# KiCad board SparkFun_BMV080_panelized.kicad_pcb (continued)
## Routing (per net, layer and track width the routed paths; a pad name or vN(x,y) marks a point on that pad's centre or on a via; arc(x,y) is an arc through that point) (continued)
GND: length 294
  Top w0.203: 12.53,54.74 U1#30.9 ; 32.13,43.74 32.23,43.64 U1#46.2 34.64,43.64 ; 133.16,96.44 U1#27.2 130.75,96.44 130.65,96.54 ; 61.79,120.74 U1#8.9 ; 59.27,17.24 56.86,17.24 56.76,17.34 ; 106.02,56.94 106.12,56.84 U1#13.2 108.53,56.84 ; 106.02,70.14 106.12,70.04 U1#14.2 108.53,70.04 ; 56.76,70.14 56.86,70.04 59.27,70.04 ; 61.79,28.34 U1#38.9 ; 106.02,30.54 106.12,30.44 U1#2.2 108.53,30.44 ; 81.39,70.14 81.49,70.04 U1#7.2 83.9,70.04 ; 108.53,122.84 U1#19.2 106.12,122.84 106.02,122.94 ; 133.16,43.64 U1#23.2 130.75,43.64 130.65,43.74 ; 83.9,17.24 U1#9.2 81.49,17.24 81.39,17.34 ; 130.65,70.14 130.75,70.04 U1#22.2 133.16,70.04 ; 135.68,15.14 U1#25.9 ; 111.05,94.34 110.25,94.34 ; 86.42,54.74 U1#5.9 ; 34.64,70.04 U1#48.2 32.23,70.04 32.13,70.14 ; 34.64,56.84 U1#44.2 32.23,56.84 32.13,56.94 ; 61.79,54.74 U1#40.9 ; 12.53,120.74 U1#47.9 ; 81.39,109.74 81.49,109.64 U1#10.2 83.9,109.64 ; 56.76,109.74 56.86,109.64 59.27,109.64 ; 108.53,96.44 U1#3.2 106.12,96.44 106.02,96.54 ; 12.53,28.34 U1#34.9 ; 133.16,109.64 U1#21.2 130.75,109.64 130.65,109.74 ; 86.42,41.54 U1#16.9 ; 86.42,67.94 U1#7.9 ; 135.68,81.14 U1#28.9 ; 133.16,122.84 U1#20.2 130.75,122.84 130.65,122.94 ; 108.53,83.24 U1#15.2 106.12,83.24 106.02,83.34 ; 81.39,96.54 81.49,96.44 U1#17.2 83.9,96.44 ; 37.16,28.34 U1#36.9 ; 32.13,83.34 32.23,83.24 U1#49.2 34.64,83.24 ; 32.13,122.94 32.23,122.84 U1#51.2 34.64,122.84 ; 133.16,17.24 U1#25.2 130.75,17.24 130.65,17.34 ; 81.39,56.94 81.49,56.84 U1#5.2 83.9,56.84 ; 135.68,107.54 U1#21.9 ; 7.5,30.54 7.6,30.44 U1#34.2 10.01,30.44 ; 37.16,120.74 U1#51.9 ; 61.79,67.94 U1#43.9 ; 7.5,122.94 7.6,122.84 U1#47.2 10.01,122.84 ; 10.01,83.24 U1#32.2 7.6,83.24 7.5,83.34 ; 7.5,70.14 7.6,70.04 U1#31.2 10.01,70.04 ; 111.05,15.14 110.25,15.14 ; 10.01,109.64 U1#37.2 7.6,109.64 7.5,109.74 ; 12.53,15.14 U1#54.9 ; 7.5,96.54 7.6,96.44 U1#33.2 10.01,96.44 ; 81.39,122.94 81.49,122.84 U1#11.2 83.9,122.84 ; 61.79,41.54 U1#39.9 ; 111.05,54.74 110.25,54.74 ; 86.42,120.74 U1#11.9 ; 111.05,81.14 110.25,81.14 ; 61.79,81.14 U1#41.9 ; 83.9,83.24 U1#6.2 81.49,83.24 81.39,83.34 ; 32.13,30.54 32.23,30.44 U1#36.2 34.64,30.44 ; 135.68,41.54 U1#23.9 ; 37.16,94.34 U1#50.9 ; 59.27,96.44 56.86,96.44 56.76,96.54 ; 56.76,83.34 56.86,83.24 59.27,83.24 ; 108.53,109.64 U1.2 106.12,109.64 106.02,109.74 ; 133.16,30.44 U1#26.2 130.75,30.44 130.65,30.54 ; 56.76,56.94 56.86,56.84 59.27,56.84 ; 56.76,30.54 56.86,30.44 59.27,30.44 ; 135.68,28.34 U1#26.9 ; 7.5,56.94 7.6,56.84 U1#30.2 10.01,56.84 ; 37.16,15.14 U1#35.9 ; 10.01,17.24 U1#54.2 7.6,17.24 7.5,17.34 ; 108.53,43.64 U1#18.2 106.12,43.64 106.02,43.74 ; 56.76,122.94 56.86,122.84 59.27,122.84 ; 106.02,17.34 106.12,17.24 U1#12.2 108.53,17.24 ; 12.53,81.14 U1#32.9 ; 7.5,43.74 7.6,43.64 U1#29.2 10.01,43.64 ; 37.16,54.74 U1#44.9 ; 32.13,109.74 32.23,109.64 U1#53.2 34.64,109.64 ; 130.65,56.94 130.75,56.84 U1#24.2 133.16,56.84 ; 12.53,67.94 U1#31.9 ; 12.53,41.54 U1#29.9 ; 86.42,107.54 U1#10.9 ; 111.05,107.54 110.25,107.54 ; 111.05,120.74 110.25,120.74 ; 37.16,67.94 U1#48.9 ; 59.27,43.64 56.86,43.64 56.76,43.74 ; 81.39,30.54 81.49,30.44 U1#4.2 83.9,30.44 ; 12.53,94.34 U1#33.9 ; 37.16,107.54 U1#53.9 ; 135.68,94.34 U1#27.9 ; 86.42,81.14 U1#6.9 ; 133.16,83.24 U1#28.2 130.75,83.24 130.65,83.34 ; 83.9,43.64 U1#16.2 81.49,43.64 81.39,43.74 ; 34.64,96.44 U1#50.2 32.23,96.44 32.13,96.54 ; 135.68,67.94 U1#22.9 ; 111.05,67.94 110.25,67.94 ; 34.64,17.24 U1#35.2 32.23,17.24 32.13,17.34 ; 135.68,120.74 U1#20.9 ; 111.05,28.34 110.25,28.34 ; 135.68,54.74 U1#24.9 ; 37.16,41.54 U1#46.9 ; 61.79,94.34 U1#45.9 ; 86.42,15.14 U1#9.9 ; 86.42,28.34 U1#4.9 ; 37.16,81.14 U1#49.9 ; 86.42,94.34 U1#17.9 ; 61.79,15.14 U1#52.9 ; 61.79,107.54 U1#42.9 ; 12.53,107.54 U1#37.9 ; 111.05,41.54 110.25,41.54
  Bottom w0.203: 16.31,98.05 16.03,98.33 14.34,98.33 ; 38.97,45.53 40.66,45.53 40.94,45.25 ; 63.6,19.13 65.29,19.13 65.57,18.85 ; 63.6,71.93 65.29,71.93 65.57,71.65 ; 40.94,71.65 40.66,71.93 38.97,71.93 ; 63.6,45.53 65.29,45.53 65.57,45.25 ; 139.46,18.85 139.18,19.13 137.49,19.13 ; 137.49,32.33 139.18,32.33 139.46,32.05 ; 114.83,32.05 114.55,32.33 112.86,32.33 ; 63.6,85.13 65.29,85.13 65.57,84.85 ; 139.46,58.45 139.18,58.73 137.49,58.73 ; 16.31,45.25 16.03,45.53 14.34,45.53 ; 38.97,58.73 40.66,58.73 40.94,58.45 ; 112.86,45.53 114.55,45.53 114.83,45.25 ; 14.34,124.73 16.03,124.73 16.31,124.45 ; 90.2,45.25 89.92,45.53 88.23,45.53 ; 65.57,58.45 65.29,58.73 63.6,58.73 ; 90.2,71.65 89.92,71.93 88.23,71.93 ; 65.57,32.05 65.29,32.33 63.6,32.33 ; 114.83,124.45 114.55,124.73 112.86,124.73 ; 114.83,71.65 114.55,71.93 112.86,71.93 ; 139.46,111.25 139.18,111.53 137.49,111.53 ; 16.31,111.25 16.03,111.53 14.34,111.53 ; 88.23,58.73 89.92,58.73 90.2,58.45 ; 63.6,111.53 65.29,111.53 65.57,111.25 ; 16.31,58.45 16.03,58.73 14.34,58.73 ; 88.23,98.33 89.92,98.33 90.2,98.05 ; 137.49,45.53 139.18,45.53 139.46,45.25 ; 16.31,32.05 16.03,32.33 14.34,32.33 ; 40.94,111.25 40.66,111.53 38.97,111.53 ; 65.57,98.05 65.29,98.33 63.6,98.33 ; 112.86,85.13 114.55,85.13 114.83,84.85 ; 137.49,124.73 139.18,124.73 139.46,124.45 ; 114.83,98.05 114.55,98.33 112.86,98.33 ; 137.49,71.93 139.18,71.93 139.46,71.65 ; 14.34,71.93 16.03,71.93 16.31,71.65 ; 112.86,58.73 114.55,58.73 114.83,58.45 ; 90.2,84.85 89.92,85.13 88.23,85.13 ; 16.31,84.85 16.03,85.13 14.34,85.13 ; 88.23,32.33 89.92,32.33 90.2,32.05 ; 114.83,111.25 114.55,111.53 112.86,111.53 ; 88.23,124.73 89.92,124.73 90.2,124.45 ; 65.57,124.45 65.29,124.73 63.6,124.73 ; 38.97,85.13 40.66,85.13 40.94,84.85 ; 88.23,111.53 89.92,111.53 90.2,111.25 ; 16.31,18.85 16.03,19.13 14.34,19.13 ; 40.94,18.85 40.66,19.13 38.97,19.13 ; 40.94,98.05 40.66,98.33 38.97,98.33 ; 90.2,18.85 89.92,19.13 88.23,19.13 ; 139.46,84.85 139.18,85.13 137.49,85.13 ; 40.94,32.05 40.66,32.33 38.97,32.33 ; 137.49,98.33 139.18,98.33 139.46,98.05 ; 114.83,18.85 114.55,19.13 112.86,19.13 ; 40.94,124.45 40.66,124.73 38.97,124.73
  vias: v1(8.33,124.49) v1(8.33,111.29) v1(8.33,98.09) v1(8.33,84.89) v1(8.33,71.69) v1(8.33,58.49) v1(8.33,45.29) v1(8.33,32.09) v1(8.33,18.89) v1(8.61,113.33) v1(8.61,100.13) v1(8.61,86.93) v1(8.61,73.73) v1(8.61,60.53) v1(8.61,47.33) v1(8.61,34.13) v1(8.61,20.93) v1(8.61,7.73) v1(10.63,117.88) v1(10.63,104.68) v1(10.63,91.48) v1(10.63,78.28) v1(10.63,65.08) v1(10.63,51.88) v1(10.63,38.68) v1(10.63,25.48) v1(10.63,12.28) v1(12.19,124.49) v1(12.19,111.29) v1(12.19,98.09) v1(12.19,84.89) v1(12.19,71.69) v1(12.19,58.49) v1(12.19,45.29) v1(12.19,32.09) v1(12.19,18.89) v1(12.81,121.94) v1(12.81,108.74) v1(12.81,95.54) v1(12.81,82.34) v1(12.81,69.14) v1(12.81,55.94) v1(12.81,42.74) v1(12.81,29.54) v1(12.81,16.34) v1(13.33,117.73) v1(13.33,104.53) v1(13.33,91.33) v1(13.33,78.13) v1(13.33,64.93) v1(13.33,51.73) v1(13.33,38.53) v1(13.33,25.33) v1(13.33,12.13) v1(14.38,121.3) v1(14.38,108.1) v1(14.38,94.9) v1(14.38,81.7) v1(14.38,68.5) v1(14.38,55.3) v1(14.38,42.1) v1(14.38,28.9) v1(14.38,15.7) v1(17.69,121.65) v1(17.68,115.23) v1(17.69,108.45) v1(17.68,102.03) v1(17.69,95.25) v1(17.68,88.83) v1(17.69,82.05) v1(17.68,75.63) v1(17.69,68.85) v1(17.68,62.43) v1(17.69,55.65) v1(17.68,49.23) v1(17.69,42.45) v1(17.68,36.03) v1(17.69,29.25) v1(17.68,22.83) v1(17.69,16.05) v1(17.68,9.63) v1(22.09,124.13) v1(22.09,122.61) v1(22.09,121.34) v1(22.09,120.07) v1(22.09,118.55) v1(22.09,110.93) v1(22.09,109.41) v1(22.09,108.14) v1(22.09,106.87) v1(22.09,105.35) v1(22.09,97.73) v1(22.09,96.21) v1(22.09,94.94) v1(22.09,93.67) v1(22.09,92.15) v1(22.09,84.53) v1(22.09,83.01) v1(22.09,81.74) v1(22.09,80.47) v1(22.09,78.95) v1(22.09,71.33) v1(22.09,69.81) v1(22.09,68.54) v1(22.09,67.27) v1(22.09,65.75) v1(22.09,58.13) v1(22.09,56.61) v1(22.09,55.34) v1(22.09,54.07) v1(22.09,52.55) v1(22.09,44.93) v1(22.09,43.41) v1(22.09,42.14) v1(22.09,40.87) v1(22.09,39.35) v1(22.09,31.73) v1(22.09,30.21) v1(22.09,28.94) v1(22.09,27.67) v1(22.09,26.15) v1(22.09,18.53) v1(22.09,17.01) v1(22.09,15.74) v1(22.09,14.47) v1(22.09,12.95) v1(23.36,124.13) v1(23.36,122.61) v1(23.36,121.34) v1(23.36,120.07) v1(23.36,118.55) v1(23.36,110.93) v1(23.36,109.41) v1(23.36,108.14) v1(23.36,106.87) v1(23.36,105.35) v1(23.36,97.73) v1(23.36,96.21) v1(23.36,94.94) v1(23.36,93.67) v1(23.36,92.15) v1(23.36,84.53) v1(23.36,83.01) v1(23.36,81.74) v1(23.36,80.47) v1(23.36,78.95) v1(23.36,71.33) v1(23.36,69.81) v1(23.36,68.54) v1(23.36,67.27) v1(23.36,65.75) v1(23.36,58.13) v1(23.36,56.61) v1(23.36,55.34) v1(23.36,54.07) v1(23.36,52.55) v1(23.36,44.93) v1(23.36,43.41) v1(23.36,42.14) v1(23.36,40.87) v1(23.36,39.35) v1(23.36,31.73) v1(23.36,30.21) v1(23.36,28.94) v1(23.36,27.67) v1(23.36,26.15) v1(23.36,18.53) v1(23.36,17.01) v1(23.36,15.74) v1(23.36,14.47) v1(23.36,12.95) v1(24.63,124.13) v1(24.63,122.61) v1(24.63,121.34) v1(24.63,120.07) v1(24.63,118.55) v1(24.63,110.93) v1(24.63,109.41) v1(24.63,108.14) v1(24.63,106.87) v1(24.63,105.35) v1(24.63,97.73) v1(24.63,96.21) v1(24.63,94.94) v1(24.63,93.67) v1(24.63,92.15) v1(24.63,84.53) v1(24.63,83.01) v1(24.63,81.74) v1(24.63,80.47) v1(24.63,78.95) v1(24.63,71.33) v1(24.63,69.81) v1(24.63,68.54) v1(24.63,67.27) v1(24.63,65.75) v1(24.63,58.13) v1(24.63,56.61) v1(24.63,55.34) v1(24.63,54.07) v1(24.63,52.55) v1(24.63,44.93) v1(24.63,43.41) v1(24.63,42.14) v1(24.63,40.87) v1(24.63,39.35) v1(24.63,31.73) v1(24.63,30.21) v1(24.63,28.94) v1(24.63,27.67) v1(24.63,26.15) v1(24.63,18.53) v1(24.63,17.01) v1(24.63,15.74) v1(24.63,14.47) v1(24.63,12.95) v1(25.9,124.13) v1(25.9,122.61) v1(25.9,121.34) v1(25.9,120.07) v1(25.9,118.55) v1(25.9,110.93) v1(25.9,109.41) v1(25.9,108.14) v1(25.9,106.87) v1(25.9,105.35) v1(25.9,97.73) v1(25.9,96.21) v1(25.9,94.94) v1(25.9,93.67) v1(25.9,92.15) v1(25.9,84.53) v1(25.9,83.01) v1(25.9,81.74) v1(25.9,80.47) v1(25.9,78.95) v1(25.9,71.33) v1(25.9,69.81) v1(25.9,68.54) v1(25.9,67.27) v1(25.9,65.75) v1(25.9,58.13) v1(25.9,56.61) v1(25.9,55.34) v1(25.9,54.07) v1(25.9,52.55) v1(25.9,44.93) v1(25.9,43.41) v1(25.9,42.14) v1(25.9,40.87) v1(25.9,39.35) v1(25.9,31.73) v1(25.9,30.21) v1(25.9,28.94) v1(25.9,27.67) v1(25.9,26.15) v1(25.9,18.53) v1(25.9,17.01) v1(25.9,15.74) v1(25.9,14.47) v1(25.9,12.95) v1(27.17,124.13) v1(27.17,122.61) v1(27.17,121.34) v1(27.17,120.07) v1(27.17,118.55) v1(27.17,110.93) v1(27.17,109.41) v1(27.17,108.14) v1(27.17,106.87) v1(27.17,105.35) v1(27.17,97.73) v1(27.17,96.21) v1(27.17,94.94) v1(27.17,93.67) v1(27.17,92.15) v1(27.17,84.53) v1(27.17,83.01) v1(27.17,81.74) v1(27.17,80.47) v1(27.17,78.95) v1(27.17,71.33) v1(27.17,69.81) v1(27.17,68.54) v1(27.17,67.27) v1(27.17,65.75) v1(27.17,58.13) v1(27.17,56.61) v1(27.17,55.34) v1(27.17,54.07) v1(27.17,52.55) v1(27.17,44.93) v1(27.17,43.41) v1(27.17,42.14) v1(27.17,40.87) v1(27.17,39.35) v1(27.17,31.73) v1(27.17,30.21) v1(27.17,28.94) v1(27.17,27.67) v1(27.17,26.15) v1(27.17,18.53) v1(27.17,17.01) v1(27.17,15.74) v1(27.17,14.47) v1(27.17,12.95) v1(27.74,116.65) v1(27.74,103.45) v1(27.74,90.25) v1(27.74,77.05) v1(27.74,63.85) v1(27.74,50.65) v1(27.74,37.45) v1(27.74,24.25) v1(27.74,11.05) v1(28.44,124.13) v1(28.44,122.61) v1(28.44,121.34) v1(28.44,120.07) v1(28.44,118.55) v1(28.44,110.93) v1(28.44,109.41) v1(28.44,108.14) v1(28.44,106.87) v1(28.44,105.35) v1(28.44,97.73) v1(28.44,96.21) v1(28.44,94.94) v1(28.44,93.67) v1(28.44,92.15) v1(28.44,84.53) v1(28.44,83.01) v1(28.44,81.74) v1(28.44,80.47) v1(28.44,78.95) v1(28.44,71.33) v1(28.44,69.81) v1(28.44,68.54) v1(28.44,67.27) v1(28.44,65.75) v1(28.44,58.13) v1(28.44,56.61) v1(28.44,55.34) v1(28.44,54.07) v1(28.44,52.55) v1(28.44,44.93) v1(28.44,43.41) v1(28.44,42.14) v1(28.44,40.87) v1(28.44,39.35) v1(28.44,31.73) v1(28.44,30.21) v1(28.44,28.94) v1(28.44,27.67) v1(28.44,26.15) v1(28.44,18.53) v1(28.44,17.01) v1(28.44,15.74) v1(28.44,14.47) v1(28.44,12.95) v1(29.31,113.77) v1(29.31,100.57) v1(29.31,87.37) v1(29.31,74.17) v1(29.31,60.97) v1(29.31,47.77) v1(29.31,34.57) v1(29.31,21.37) v1(29.31,8.17) v1(32.96,124.49) v1(32.96,111.29) v1(32.96,98.09) v1(32.96,84.89) v1(32.96,71.69) v1(32.96,58.49) v1(32.96,45.29) v1(32.96,32.09) v1(32.96,18.89) v1(33.24,113.33) v1(33.24,100.13) v1(33.24,86.93) v1(33.24,73.73) v1(33.24,60.53) v1(33.24,47.33) v1(33.24,34.13) v1(33.24,20.93) v1(33.24,7.73) v1(35.26,117.88) v1(35.26,104.68) v1(35.26,91.48) v1(35.26,78.28) v1(35.26,65.08) v1(35.26,51.88) v1(35.26,38.68) v1(35.26,25.48) v1(35.26,12.28) v1(36.82,124.49) v1(36.82,111.29) v1(36.82,98.09) v1(36.82,84.89) v1(36.82,71.69) v1(36.82,58.49) v1(36.82,45.29) v1(36.82,32.09) v1(36.82,18.89) v1(37.44,121.94) v1(37.44,108.74) v1(37.44,95.54) v1(37.44,82.34) v1(37.44,69.14) v1(37.44,55.94) v1(37.44,42.74) v1(37.44,29.54) v1(37.44,16.34) v1(37.96,117.73) v1(37.96,104.53) v1(37.96,91.33) v1(37.96,78.13) v1(37.96,64.93) v1(37.96,51.73) v1(37.96,38.53) v1(37.96,25.33) v1(37.96,12.13) v1(39.01,121.3) v1(39.01,108.1) v1(39.01,94.9) v1(39.01,81.7) v1(39.01,68.5) v1(39.01,55.3) v1(39.01,42.1) v1(39.01,28.9) v1(39.01,15.7) v1(42.32,121.65) v1(42.31,115.23) v1(42.32,108.45) v1(42.31,102.03) v1(42.32,95.25) v1(42.31,88.83) v1(42.32,82.05) v1(42.31,75.63) v1(42.32,68.85) v1(42.31,62.43) v1(42.32,55.65) v1(42.31,49.23) v1(42.32,42.45) v1(42.31,36.03) v1(42.32,29.25) v1(42.31,22.83) v1(42.32,16.05) v1(42.31,9.63) v1(46.72,124.13) v1(46.72,122.61) v1(46.72,121.34) v1(46.72,120.07) v1(46.72,118.55) v1(46.72,110.93) v1(46.72,109.41) v1(46.72,108.14) v1(46.72,106.87) v1(46.72,105.35) v1(46.72,97.73) v1(46.72,96.21) v1(46.72,94.94) v1(46.72,93.67) v1(46.72,92.15) v1(46.72,84.53) v1(46.72,83.01) v1(46.72,81.74) v1(46.72,80.47) v1(46.72,78.95) v1(46.72,71.33) v1(46.72,69.81) v1(46.72,68.54) v1(46.72,67.27) v1(46.72,65.75) v1(46.72,58.13) v1(46.72,56.61) v1(46.72,55.34) v1(46.72,54.07) v1(46.72,52.55) v1(46.72,44.93) v1(46.72,43.41) v1(46.72,42.14) v1(46.72,40.87) v1(46.72,39.35) v1(46.72,31.73) v1(46.72,30.21) v1(46.72,28.94) v1(46.72,27.67) v1(46.72,26.15) v1(46.72,18.53) v1(46.72,17.01) v1(46.72,15.74) v1(46.72,14.47) v1(46.72,12.95) v1(47.99,124.13) v1(47.99,122.61) v1(47.99,121.34) v1(47.99,120.07) v1(47.99,118.55) v1(47.99,110.93) v1(47.99,109.41) v1(47.99,108.14) v1(47.99,106.87) v1(47.99,105.35) v1(47.99,97.73) v1(47.99,96.21) v1(47.99,94.94) v1(47.99,93.67) v1(47.99,92.15) v1(47.99,84.53) v1(47.99,83.01) v1(47.99,81.74) v1(47.99,80.47) v1(47.99,78.95) v1(47.99,71.33) v1(47.99,69.81) v1(47.99,68.54) v1(47.99,67.27) v1(47.99,65.75) v1(47.99,58.13) v1(47.99,56.61) v1(47.99,55.34) v1(47.99,54.07) v1(47.99,52.55) v1(47.99,44.93) v1(47.99,43.41) v1(47.99,42.14) v1(47.99,40.87) v1(47.99,39.35) v1(47.99,31.73) v1(47.99,30.21) v1(47.99,28.94) v1(47.99,27.67) v1(47.99,26.15) v1(47.99,18.53) v1(47.99,17.01) v1(47.99,15.74) v1(47.99,14.47) v1(47.99,12.95) v1(49.26,124.13) v1(49.26,122.61) v1(49.26,121.34) v1(49.26,120.07) v1(49.26,118.55) v1(49.26,110.93) v1(49.26,109.41) v1(49.26,108.14) v1(49.26,106.87) v1(49.26,105.35) v1(49.26,97.73) v1(49.26,96.21) v1(49.26,94.94) v1(49.26,93.67) v1(49.26,92.15) v1(49.26,84.53) v1(49.26,83.01) v1(49.26,81.74) v1(49.26,80.47) v1(49.26,78.95) v1(49.26,71.33) v1(49.26,69.81) v1(49.26,68.54) v1(49.26,67.27) v1(49.26,65.75) v1(49.26,58.13) v1(49.26,56.61) v1(49.26,55.34) v1(49.26,54.07) v1(49.26,52.55) v1(49.26,44.93) v1(49.26,43.41) v1(49.26,42.14) v1(49.26,40.87) v1(49.26,39.35) v1(49.26,31.73) v1(49.26,30.21) v1(49.26,28.94) v1(49.26,27.67) v1(49.26,26.15) v1(49.26,18.53) v1(49.26,17.01) v1(49.26,15.74) v1(49.26,14.47) v1(49.26,12.95) v1(50.53,124.13) v1(50.53,122.61) v1(50.53,121.34) v1(50.53,120.07) v1(50.53,118.55) v1(50.53,110.93) v1(50.53,109.41) v1(50.53,108.14) v1(50.53,106.87) v1(50.53,105.35) v1(50.53,97.73) v1(50.53,96.21) v1(50.53,94.94) v1(50.53,93.67) v1(50.53,92.15) v1(50.53,84.53) v1(50.53,83.01) v1(50.53,81.74) v1(50.53,80.47) v1(50.53,78.95) v1(50.53,71.33) v1(50.53,69.81) v1(50.53,68.54) v1(50.53,67.27) v1(50.53,65.75) v1(50.53,58.13) v1(50.53,56.61) v1(50.53,55.34) v1(50.53,54.07) v1(50.53,52.55) v1(50.53,44.93) v1(50.53,43.41) v1(50.53,42.14) v1(50.53,40.87) v1(50.53,39.35) v1(50.53,31.73) v1(50.53,30.21) v1(50.53,28.94) v1(50.53,27.67) v1(50.53,26.15) v1(50.53,18.53) v1(50.53,17.01) v1(50.53,15.74) v1(50.53,14.47) v1(50.53,12.95) v1(51.8,124.13) v1(51.8,122.61) v1(51.8,121.34) v1(51.8,120.07) v1(51.8,118.55) v1(51.8,110.93) v1(51.8,109.41) v1(51.8,108.14) v1(51.8,106.87) v1(51.8,105.35) v1(51.8,97.73) v1(51.8,96.21) v1(51.8,94.94) v1(51.8,93.67) v1(51.8,92.15) v1(51.8,84.53) v1(51.8,83.01) v1(51.8,81.74) v1(51.8,80.47) v1(51.8,78.95) v1(51.8,71.33) v1(51.8,69.81) v1(51.8,68.54) v1(51.8,67.27) v1(51.8,65.75) v1(51.8,58.13) v1(51.8,56.61) v1(51.8,55.34) v1(51.8,54.07) v1(51.8,52.55) v1(51.8,44.93) v1(51.8,43.41) v1(51.8,42.14) v1(51.8,40.87) v1(51.8,39.35) v1(51.8,31.73) v1(51.8,30.21) v1(51.8,28.94) v1(51.8,27.67) v1(51.8,26.15) v1(51.8,18.53) v1(51.8,17.01) v1(51.8,15.74) v1(51.8,14.47) v1(51.8,12.95) v1(52.37,116.65) v1(52.37,103.45) v1(52.37,90.25) v1(52.37,77.05) v1(52.37,63.85) v1(52.37,50.65) v1(52.37,37.45) v1(52.37,24.25) v1(52.37,11.05) v1(53.07,124.13) v1(53.07,122.61) v1(53.07,121.34) v1(53.07,120.07) v1(53.07,118.55) v1(53.07,110.93) v1(53.07,109.41) v1(53.07,108.14) v1(53.07,106.87) v1(53.07,105.35) v1(53.07,97.73) v1(53.07,96.21) v1(53.07,94.94) v1(53.07,93.67) v1(53.07,92.15) v1(53.07,84.53) v1(53.07,83.01) v1(53.07,81.74) v1(53.07,80.47) v1(53.07,78.95) v1(53.07,71.33) v1(53.07,69.81) v1(53.07,68.54) v1(53.07,67.27) v1(53.07,65.75) v1(53.07,58.13) v1(53.07,56.61) v1(53.07,55.34) v1(53.07,54.07) v1(53.07,52.55) v1(53.07,44.93) v1(53.07,43.41) v1(53.07,42.14) v1(53.07,40.87) v1(53.07,39.35) v1(53.07,31.73) v1(53.07,30.21) v1(53.07,28.94) v1(53.07,27.67) v1(53.07,26.15) v1(53.07,18.53) v1(53.07,17.01) v1(53.07,15.74) v1(53.07,14.47) v1(53.07,12.95) v1(53.94,113.77) v1(53.94,100.57) v1(53.94,87.37) v1(53.94,74.17) v1(53.94,60.97) v1(53.94,47.77) v1(53.94,34.57) v1(53.94,21.37) v1(53.94,8.17) v1(57.59,124.49) v1(57.59,111.29) v1(57.59,98.09) v1(57.59,84.89) v1(57.59,71.69) v1(57.59,58.49) v1(57.59,45.29) v1(57.59,32.09) v1(57.59,18.89) v1(57.87,113.33) v1(57.87,100.13) v1(57.87,86.93) v1(57.87,73.73) v1(57.87,60.53) v1(57.87,47.33) v1(57.87,34.13) v1(57.87,20.93) v1(57.87,7.73) v1(59.89,117.88) v1(59.89,104.68) v1(59.89,91.48) v1(59.89,78.28) v1(59.89,65.08) v1(59.89,51.88) v1(59.89,38.68) v1(59.89,25.48) v1(59.89,12.28) v1(61.45,124.49) v1(61.45,111.29) v1(61.45,98.09) v1(61.45,84.89) v1(61.45,71.69) v1(61.45,58.49) v1(61.45,45.29) v1(61.45,32.09) v1(61.45,18.89) v1(62.07,121.94) v1(62.07,108.74) v1(62.07,95.54) v1(62.07,82.34) v1(62.07,69.14) v1(62.07,55.94) v1(62.07,42.74) v1(62.07,29.54) v1(62.07,16.34) v1(62.59,117.73) v1(62.59,104.53) v1(62.59,91.33) v1(62.59,78.13) v1(62.59,64.93) v1(62.59,51.73) v1(62.59,38.53) v1(62.59,25.33) v1(62.59,12.13) v1(63.64,121.3) v1(63.64,108.1) v1(63.64,94.9) v1(63.64,81.7) v1(63.64,68.5) v1(63.64,55.3) v1(63.64,42.1) v1(63.64,28.9) v1(63.64,15.7) v1(66.95,121.65) v1(66.94,115.23) v1(66.95,108.45) v1(66.94,102.03) v1(66.95,95.25) v1(66.94,88.83) v1(66.95,82.05) v1(66.94,75.63) v1(66.95,68.85) v1(66.94,62.43) v1(66.95,55.65) v1(66.94,49.23) v1(66.95,42.45) v1(66.94,36.03) v1(66.95,29.25) v1(66.94,22.83) v1(66.95,16.05) v1(66.94,9.63) v1(71.35,124.13) v1(71.35,122.61) v1(71.35,121.34) v1(71.35,120.07) v1(71.35,118.55) v1(71.35,110.93) v1(71.35,109.41) v1(71.35,108.14) v1(71.35,106.87) v1(71.35,105.35) v1(71.35,97.73) v1(71.35,96.21) v1(71.35,94.94) v1(71.35,93.67) v1(71.35,92.15) v1(71.35,84.53) v1(71.35,83.01) v1(71.35,81.74) v1(71.35,80.47) v1(71.35,78.95) v1(71.35,71.33) v1(71.35,69.81) v1(71.35,68.54) v1(71.35,67.27) v1(71.35,65.75) v1(71.35,58.13) v1(71.35,56.61) v1(71.35,55.34) v1(71.35,54.07) v1(71.35,52.55) v1(71.35,44.93) v1(71.35,43.41) v1(71.35,42.14) v1(71.35,40.87) v1(71.35,39.35) v1(71.35,31.73) v1(71.35,30.21) v1(71.35,28.94) v1(71.35,27.67) v1(71.35,26.15) v1(71.35,18.53) v1(71.35,17.01) v1(71.35,15.74) v1(71.35,14.47) v1(71.35,12.95) v1(72.62,124.13) v1(72.62,122.61) v1(72.62,121.34) v1(72.62,120.07) v1(72.62,118.55) v1(72.62,110.93) v1(72.62,109.41) v1(72.62,108.14) v1(72.62,106.87) v1(72.62,105.35) v1(72.62,97.73) v1(72.62,96.21) v1(72.62,94.94) v1(72.62,93.67) v1(72.62,92.15) v1(72.62,84.53) v1(72.62,83.01) v1(72.62,81.74) v1(72.62,80.47) v1(72.62,78.95) v1(72.62,71.33) v1(72.62,69.81) v1(72.62,68.54) v1(72.62,67.27) v1(72.62,65.75) v1(72.62,58.13) v1(72.62,56.61) v1(72.62,55.34) v1(72.62,54.07) v1(72.62,52.55) v1(72.62,44.93) v1(72.62,43.41) v1(72.62,42.14) v1(72.62,40.87) v1(72.62,39.35) v1(72.62,31.73) v1(72.62,30.21) v1(72.62,28.94) v1(72.62,27.67) v1(72.62,26.15) v1(72.62,18.53) v1(72.62,17.01) v1(72.62,15.74) v1(72.62,14.47) v1(72.62,12.95) v1(73.89,124.13) v1(73.89,122.61) v1(73.89,121.34) v1(73.89,120.07) v1(73.89,118.55) v1(73.89,110.93) v1(73.89,109.41) v1(73.89,108.14) v1(73.89,106.87) v1(73.89,105.35) v1(73.89,97.73) v1(73.89,96.21) v1(73.89,94.94) v1(73.89,93.67) v1(73.89,92.15) v1(73.89,84.53) v1(73.89,83.01) v1(73.89,81.74) v1(73.89,80.47) v1(73.89,78.95) v1(73.89,71.33) v1(73.89,69.81) v1(73.89,68.54) v1(73.89,67.27) v1(73.89,65.75) v1(73.89,58.13) v1(73.89,56.61) v1(73.89,55.34) v1(73.89,54.07) v1(73.89,52.55) v1(73.89,44.93) v1(73.89,43.41) v1(73.89,42.14) v1(73.89,40.87) v1(73.89,39.35) v1(73.89,31.73) v1(73.89,30.21) v1(73.89,28.94) v1(73.89,27.67) v1(73.89,26.15) v1(73.89,18.53) v1(73.89,17.01) v1(73.89,15.74) v1(73.89,14.47) v1(73.89,12.95) v1(75.16,124.13) v1(75.16,122.61) v1(75.16,121.34) v1(75.16,120.07) v1(75.16,118.55) v1(75.16,110.93) v1(75.16,109.41) v1(75.16,108.14) v1(75.16,106.87) v1(75.16,105.35) v1(75.16,97.73) v1(75.16,96.21) v1(75.16,94.94) v1(75.16,93.67) v1(75.16,92.15) v1(75.16,84.53) v1(75.16,83.01) v1(75.16,81.74) v1(75.16,80.47) v1(75.16,78.95) v1(75.16,71.33) v1(75.16,69.81) v1(75.16,68.54) v1(75.16,67.27) v1(75.16,65.75) v1(75.16,58.13) v1(75.16,56.61) v1(75.16,55.34) v1(75.16,54.07) v1(75.16,52.55) v1(75.16,44.93) v1(75.16,43.41) v1(75.16,42.14) v1(75.16,40.87) v1(75.16,39.35) v1(75.16,31.73) v1(75.16,30.21) v1(75.16,28.94) v1(75.16,27.67) v1(75.16,26.15) v1(75.16,18.53) v1(75.16,17.01) v1(75.16,15.74) v1(75.16,14.47) v1(75.16,12.95) v1(76.43,124.13) v1(76.43,122.61) v1(76.43,121.34) v1(76.43,120.07) v1(76.43,118.55) v1(76.43,110.93) v1(76.43,109.41) v1(76.43,108.14) v1(76.43,106.87) v1(76.43,105.35) v1(76.43,97.73) v1(76.43,96.21) v1(76.43,94.94) v1(76.43,93.67) v1(76.43,92.15) v1(76.43,84.53) v1(76.43,83.01) v1(76.43,81.74) v1(76.43,80.47) v1(76.43,78.95) v1(76.43,71.33) v1(76.43,69.81) v1(76.43,68.54) v1(76.43,67.27) v1(76.43,65.75) v1(76.43,58.13) v1(76.43,56.61) v1(76.43,55.34) v1(76.43,54.07) v1(76.43,52.55) v1(76.43,44.93) v1(76.43,43.41) v1(76.43,42.14) v1(76.43,40.87) v1(76.43,39.35) v1(76.43,31.73) v1(76.43,30.21) v1(76.43,28.94) v1(76.43,27.67) v1(76.43,26.15) v1(76.43,18.53) v1(76.43,17.01) v1(76.43,15.74) v1(76.43,14.47) v1(76.43,12.95) v1(77,116.65) v1(77,103.45) v1(77,90.25) v1(77,77.05) v1(77,63.85) v1(77,50.65) v1(77,37.45) v1(77,24.25) v1(77,11.05) v1(77.7,124.13) v1(77.7,122.61) v1(77.7,121.34) v1(77.7,120.07) v1(77.7,118.55) v1(77.7,110.93) v1(77.7,109.41) v1(77.7,108.14) v1(77.7,106.87) v1(77.7,105.35) v1(77.7,97.73) v1(77.7,96.21) v1(77.7,94.94) v1(77.7,93.67) v1(77.7,92.15) v1(77.7,84.53) v1(77.7,83.01) v1(77.7,81.74) v1(77.7,80.47) v1(77.7,78.95) v1(77.7,71.33) v1(77.7,69.81) v1(77.7,68.54) v1(77.7,67.27) v1(77.7,65.75) v1(77.7,58.13) v1(77.7,56.61) v1(77.7,55.34) v1(77.7,54.07) v1(77.7,52.55) v1(77.7,44.93) v1(77.7,43.41) v1(77.7,42.14) v1(77.7,40.87) v1(77.7,39.35) v1(77.7,31.73) v1(77.7,30.21) v1(77.7,28.94) v1(77.7,27.67) v1(77.7,26.15) v1(77.7,18.53) v1(77.7,17.01) v1(77.7,15.74) v1(77.7,14.47) v1(77.7,12.95) v1(78.57,113.77) v1(78.57,100.57) v1(78.57,87.37) v1(78.57,74.17) v1(78.57,60.97) v1(78.57,47.77) v1(78.57,34.57) v1(78.57,21.37) v1(78.57,8.17) v1(82.22,124.49) v1(82.22,111.29) v1(82.22,98.09) v1(82.22,84.89) v1(82.22,71.69) v1(82.22,58.49) v1(82.22,45.29) v1(82.22,32.09) v1(82.22,18.89) v1(82.5,113.33) v1(82.5,100.13) v1(82.5,86.93) v1(82.5,73.73) v1(82.5,60.53) v1(82.5,47.33) v1(82.5,34.13) v1(82.5,20.93) v1(82.5,7.73) v1(84.52,117.88) v1(84.52,104.68) v1(84.52,91.48) v1(84.52,78.28) v1(84.52,65.08) v1(84.52,51.88) v1(84.52,38.68) v1(84.52,25.48) v1(84.52,12.28) v1(86.08,124.49) v1(86.08,111.29) v1(86.08,98.09) v1(86.08,84.89) v1(86.08,71.69) v1(86.08,58.49) v1(86.08,45.29) v1(86.08,32.09) v1(86.08,18.89) v1(86.7,121.94) v1(86.7,108.74) v1(86.7,95.54) v1(86.7,82.34) v1(86.7,69.14) v1(86.7,55.94) v1(86.7,42.74) v1(86.7,29.54) v1(86.7,16.34) v1(87.22,117.73) v1(87.22,104.53) v1(87.22,91.33) v1(87.22,78.13) v1(87.22,64.93) v1(87.22,51.73) v1(87.22,38.53) v1(87.22,25.33) v1(87.22,12.13) v1(88.27,121.3) v1(88.27,108.1) v1(88.27,94.9) v1(88.27,81.7) v1(88.27,68.5) v1(88.27,55.3) v1(88.27,42.1) v1(88.27,28.9) v1(88.27,15.7) v1(91.58,121.65) v1(91.57,115.23) v1(91.58,108.45) v1(91.57,102.03) v1(91.58,95.25) v1(91.57,88.83) v1(91.58,82.05) v1(91.57,75.63) v1(91.58,68.85) v1(91.57,62.43) v1(91.58,55.65) v1(91.57,49.23) v1(91.58,42.45) v1(91.57,36.03) v1(91.58,29.25) v1(91.57,22.83) v1(91.58,16.05) v1(91.57,9.63) v1(95.98,124.13) v1(95.98,122.61) v1(95.98,121.34) v1(95.98,120.07) v1(95.98,118.55) v1(95.98,110.93) v1(95.98,109.41) v1(95.98,108.14) v1(95.98,106.87) v1(95.98,105.35) v1(95.98,97.73) v1(95.98,96.21) v1(95.98,94.94) v1(95.98,93.67) v1(95.98,92.15) v1(95.98,84.53) v1(95.98,83.01) v1(95.98,81.74) v1(95.98,80.47) v1(95.98,78.95) v1(95.98,71.33) v1(95.98,69.81) v1(95.98,68.54) v1(95.98,67.27) v1(95.98,65.75) v1(95.98,58.13) v1(95.98,56.61) v1(95.98,55.34) v1(95.98,54.07) v1(95.98,52.55) v1(95.98,44.93) v1(95.98,43.41) v1(95.98,42.14) v1(95.98,40.87) v1(95.98,39.35) v1(95.98,31.73) v1(95.98,30.21) v1(95.98,28.94) v1(95.98,27.67) v1(95.98,26.15) v1(95.98,18.53) v1(95.98,17.01) v1(95.98,15.74) v1(95.98,14.47) v1(95.98,12.95) v1(97.25,124.13) v1(97.25,122.61) v1(97.25,121.34) v1(97.25,120.07) v1(97.25,118.55) v1(97.25,110.93) v1(97.25,109.41) v1(97.25,108.14) v1(97.25,106.87) v1(97.25,105.35) v1(97.25,97.73) v1(97.25,96.21) v1(97.25,94.94) v1(97.25,93.67) v1(97.25,92.15) 